# Altium PCB JTAG批量下载板-V1.6-ASCII.PcbDoc (part 3 of 14)
Units mil, origin at the board's own origin, x right, y up, seen from the top; angles counter-clockwise.
Board outline 7947.6 x 7007.76 mil, 2 copper layers (Top Layer, Bottom Layer); 207 components, 340 nets, 1329 pads, 792 vias.
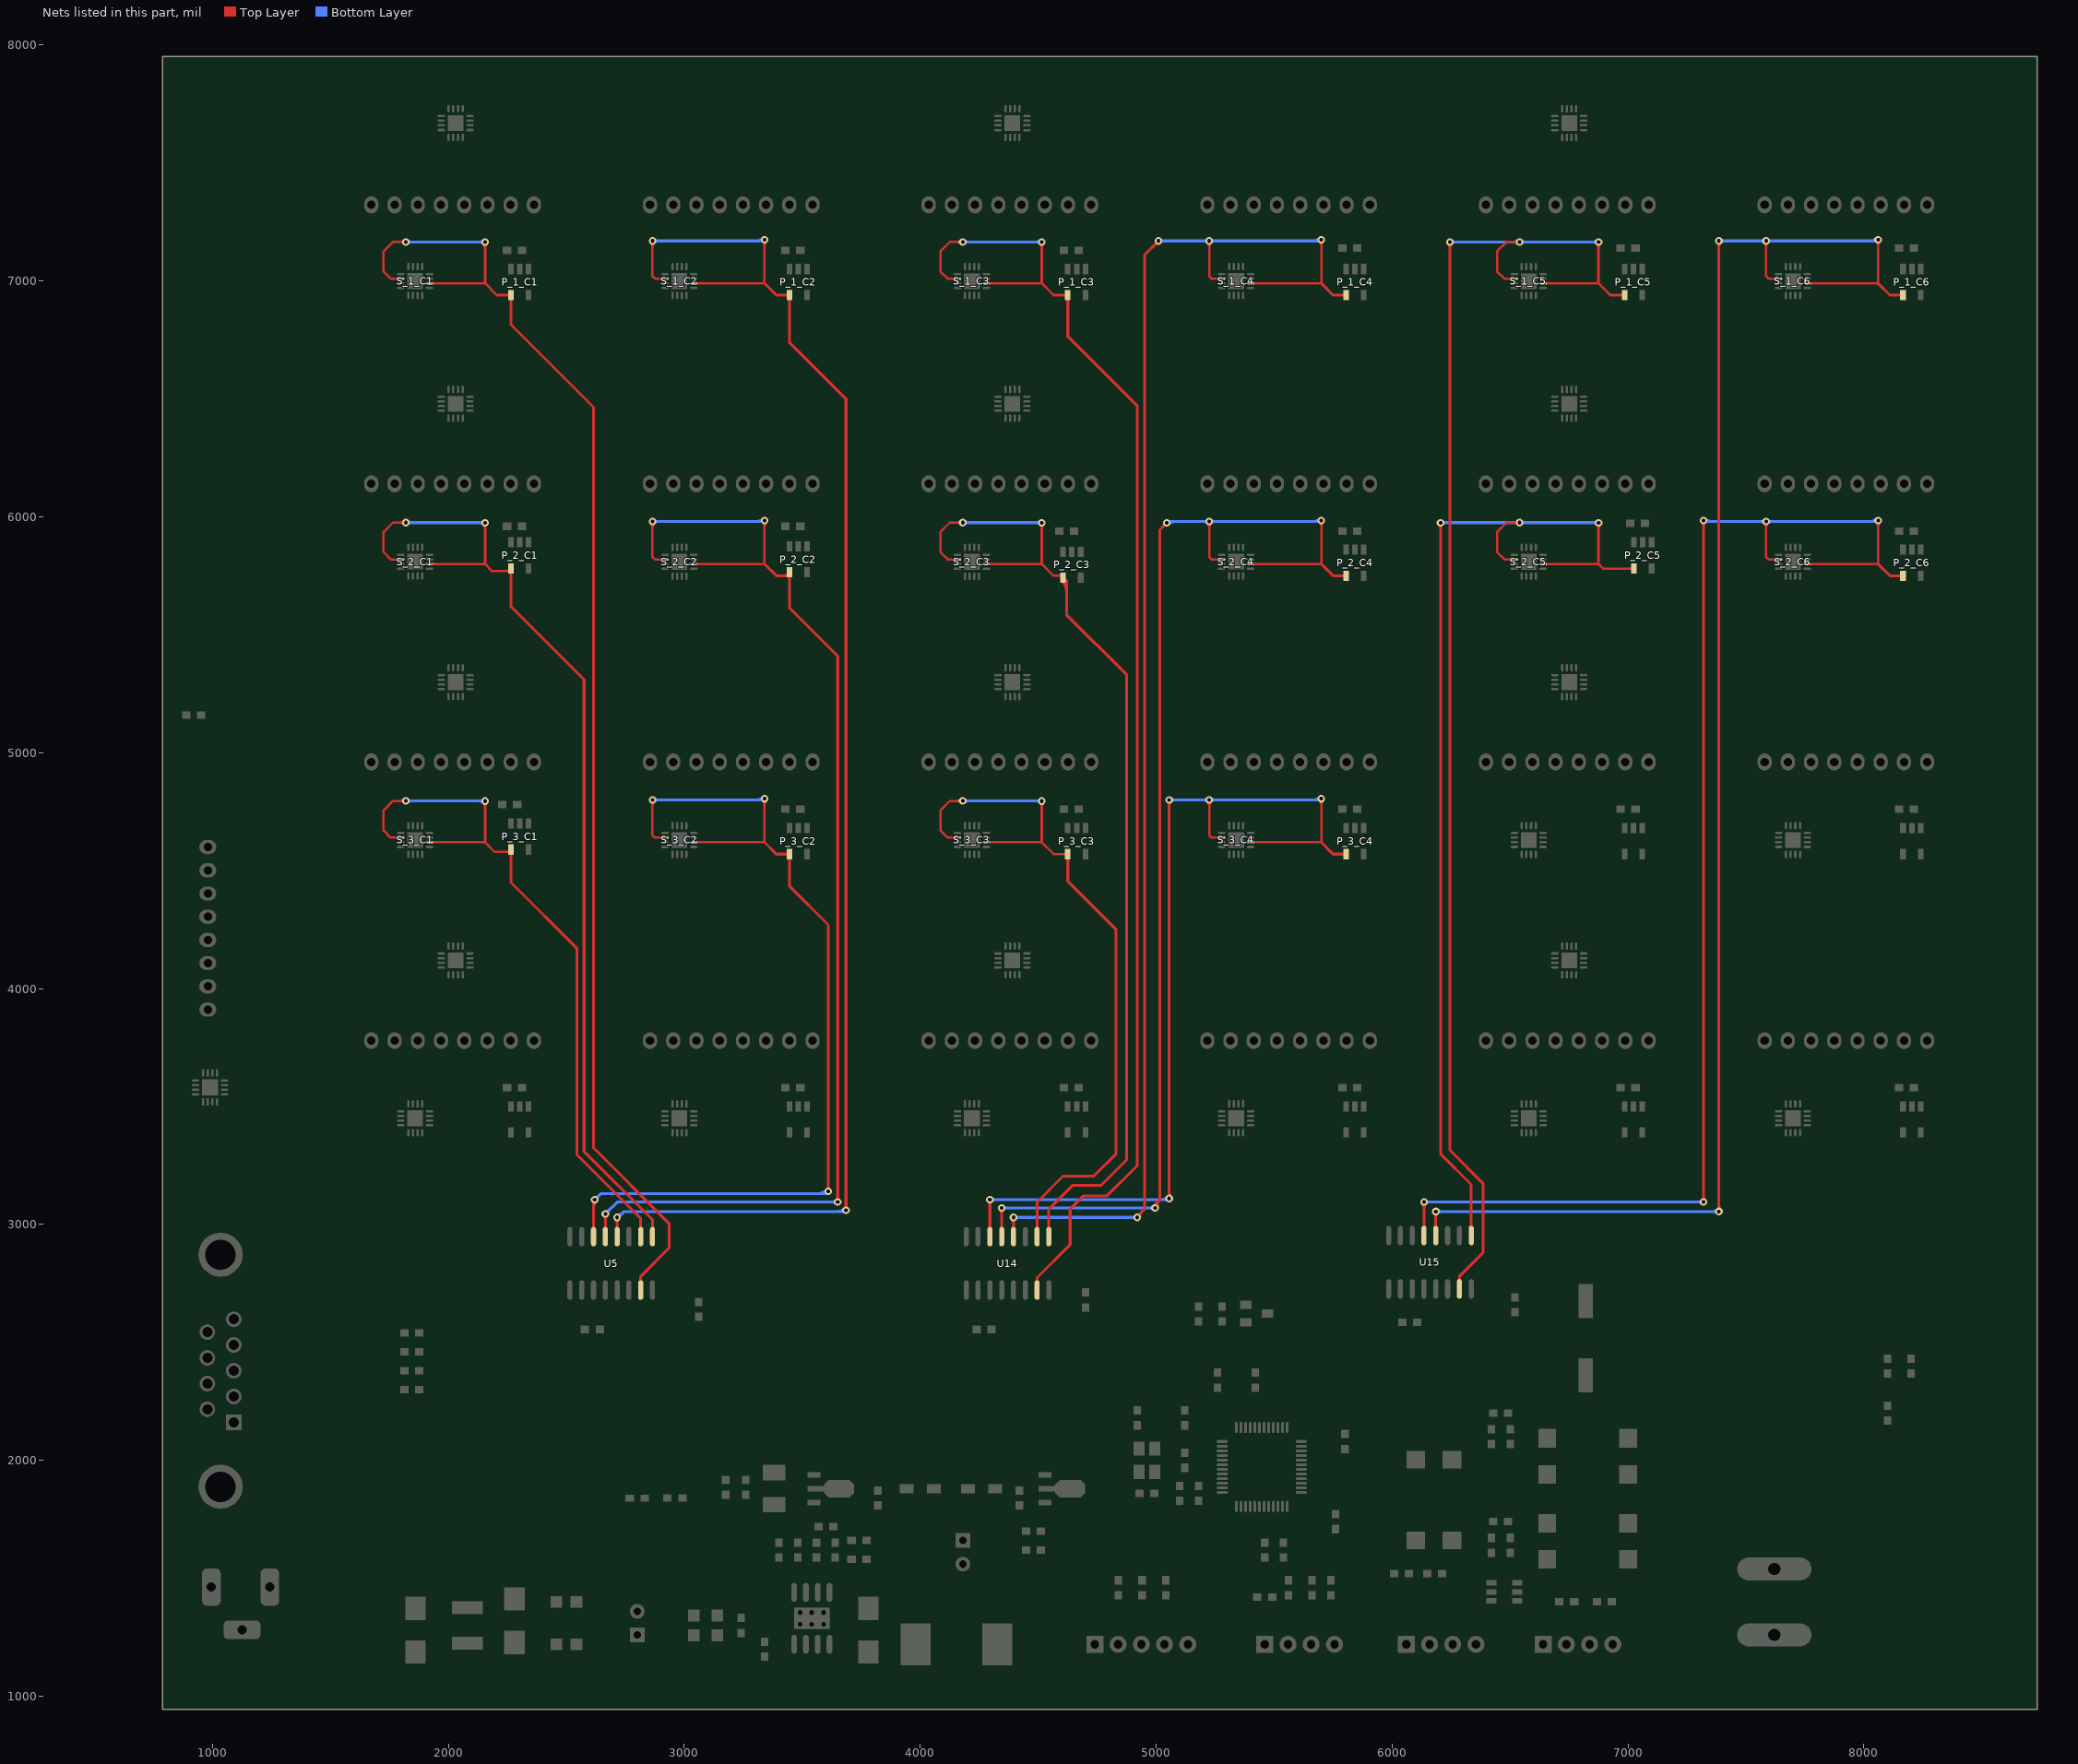
[diagram p3: the nets of this part, all layers, seen from the top]

## Via types
v1: diameter 32, hole 16, Top Layer to Bottom Layer, 721 vias
v2: diameter 50, hole 28, Top Layer to Bottom Layer, 45 vias
v3: diameter 40, hole 20, Top Layer to Bottom Layer, 26 vias

## Nets (pads, with @x,y where several pads share a name; then routed paths per layer and width w, separated by ;. In a path a pad name is that pad's centre, name@x,y a point inside that pad or via, vN(x,y) a via of type N, cw(c..) or ccw(c..) an arc to the next point about the centre after c; other vN are vias at no path point) (continued)
EN_1_C1: P_1_C1.4 S_1_C1.2 S_1_C1.10 U5.15 | length 6188.3
  Top Layer w10: S_1_C1.10@1797.95,7009.92 1755.63,7009.92 1725,7040.55 1725,7125.55 1765,7165.55 v1(1820,7165.55) ; S_1_C1.2@1920,6990.24 2154.76,6990.24 2204.69,6940.31 P_1_C1.4@2265.2,6940.31 ; 1793.44,7165.55 cw(c1793.44,7138.99) 1812.22,7157.77 ccw(c1793.44,7138.99) 1793.44,7165.55 ; 1793.44,7165.55 ccw(c1793.44,7192.11) 1812.22,7173.33 cw(c1793.44,7192.11) 1793.44,7165.55 ; 2248.75,6940.31 cw(c2248.75,6923.87) 2260.38,6935.5 ccw(c2248.75,6923.87) 2248.75,6940.31 ; 2248.75,6940.31 ccw(c2248.75,6956.76) 2260.38,6945.13 cw(c2248.75,6956.76) 2248.75,6940.31
  Top Layer w12: 2155,6990.47 v1(2155,7165) ; P_1_C1.4@2265.2,6940.31 2265.2,6814.8 2615,6465 2615,3325 2935,3005 2935,2900 2815,2780 U5.15@2815,2735 ; 2155,7140.86 cw(c2179.14,7140.86) 2162.07,7157.93 ccw(c2179.14,7140.86) 2155,7140.86 ; 2155,7140.86 ccw(c2130.86,7140.86) 2147.93,7157.93 cw(c2130.86,7140.86) 2155,7140.86 ; 2265.2,6916.44 cw(c2279.23,6916.44) 2269.31,6926.36 ccw(c2279.23,6916.44) 2265.2,6916.44 ; 2265.2,6916.44 ccw(c2251.17,6916.44) 2261.09,6926.36 cw(c2251.17,6916.44) 2265.2,6916.44 ; U5.15@2811.59,2755.74 ccw(c2803.35,2763.98) 2815,2763.98 ; U5.15@2811.59,2755.74 ccw(c2803.35,2763.98) 2815,2763.98 ; U5.15@2811.59,2755.74 ccw(c2803.35,2763.98) 2815,2763.98 ; U5.15@2811.59,2755.74 ccw(c2803.35,2763.98) 2815,2763.98 ; U5.15@2811.59,2755.74 ccw(c2803.35,2763.98) 2815,2763.98 ; 2815,2763.98 ccw(c2826.65,2763.98) U5.15@2818.41,2755.74 ; 2815,2763.98 ccw(c2826.65,2763.98) U5.15@2818.41,2755.74 ; 2815,2763.98 ccw(c2826.65,2763.98) U5.15@2818.41,2755.74 ; 2815,2763.98 ccw(c2826.65,2763.98) U5.15@2818.41,2755.74 ; 2815,2763.98 ccw(c2826.65,2763.98) U5.15@2818.41,2755.74
  Bottom Layer w12: v1(1820,7165.55) v1@2155,7165.55 ; 1844.14,7165.55 cw(c1844.14,7189.69) 1827.07,7172.62 ccw(c1844.14,7189.69) 1844.14,7165.55 ; 1844.14,7165.55 ccw(c1844.14,7141.41) 1827.07,7158.48 cw(c1844.14,7141.41) 1844.14,7165.55 ; 2129.53,7165.55 cw(c2129.53,7139.53) 2147.93,7157.93 ccw(c2129.53,7139.53) 2129.53,7165.55 ; 2132.19,7165.55 ccw(c2132.19,7187.81) 2147.93,7172.07 cw(c2132.19,7187.81) 2132.19,7165.55
EN_1_C2: P_1_C2.4 S_1_C2.2 S_1_C2.10 U5.4 | length 7274.6
  Top Layer w10: v1(2865,7170) 2865,7020 2875.08,7009.92 S_1_C2.10@2917.95,7009.92 ; S_1_C2.2@3040,6990.24 3340,6990.24 v1(3340,7175) ; v1@3332.22,7167.22 cw(c3313.44,7148.44) 3340,7148.44 cw(c3366.56,7148.44) v1@3347.78,7167.22 ; 2865,7143.44 cw(c2891.56,7143.44) 2872.78,7162.22 ccw(c2891.56,7143.44) 2865,7143.44 ; 2865,7143.44 ccw(c2838.44,7143.44) 2857.22,7162.22 cw(c2838.44,7143.44) 2865,7143.44
  Top Layer w12: U5.4@2715,2950 v1(2715,3030) ; 3340,6990.24 3340,6990 3389.69,6940.31 P_1_C2.4@3445.2,6940.31 3445.2,6739.8 3685,6500 v1(3685,3060) ; v1@3677.93,3067.07 ccw(c3660.86,3084.14) 3685,3084.14 ccw(c3709.14,3084.14) v1@3692.07,3067.07 ; v1@2707.93,3022.93 cw(c2690.86,3005.86) 2715,3005.86 ; v1@2707.93,3022.93 cw(c2690.86,3005.86) 2715,3005.86 ; v1@2707.93,3022.93 cw(c2690.86,3005.86) 2715,3005.86 ; v1@2707.93,3022.93 cw(c2690.86,3005.86) 2715,3005.86 ; v1@2707.93,3022.93 cw(c2690.86,3005.86) 2715,3005.86 ; U5.4@2711.59,2982.11 ccw(c2703.35,2990.35) 2715,2990.35 ; U5.4@2711.59,2982.11 ccw(c2703.35,2990.35) 2715,2990.35 ; U5.4@2711.59,2982.11 ccw(c2703.35,2990.35) 2715,2990.35 ; U5.4@2711.59,2982.11 ccw(c2703.35,2990.35) 2715,2990.35 ; U5.4@2711.59,2982.11 ccw(c2703.35,2990.35) 2715,2990.35 ; 2715,2990.35 ccw(c2726.65,2990.35) U5.4@2718.41,2982.11 ; 2715,2990.35 ccw(c2726.65,2990.35) U5.4@2718.41,2982.11 ; 2715,2990.35 ccw(c2726.65,2990.35) U5.4@2718.41,2982.11 ; 2715,2990.35 ccw(c2726.65,2990.35) U5.4@2718.41,2982.11 ; 2715,2990.35 ccw(c2726.65,2990.35) U5.4@2718.41,2982.11 ; 2715,3005.86 cw(c2739.14,3005.86) v1@2722.07,3022.93 ; 2715,3005.86 cw(c2739.14,3005.86) v1@2722.07,3022.93 ; 2715,3005.86 cw(c2739.14,3005.86) v1@2722.07,3022.93 ; 2715,3005.86 cw(c2739.14,3005.86) v1@2722.07,3022.93 ; 2715,3005.86 cw(c2739.14,3005.86) v1@2722.07,3022.93 ; 3431.17,6940.31 cw(c3431.17,6926.29) 3441.09,6936.21 ccw(c3431.17,6926.29) 3431.17,6940.31 ; 3431.17,6940.31 ccw(c3431.17,6954.34) 3441.09,6944.42 cw(c3431.17,6954.34) 3431.17,6940.31 ; 3445.2,6916.44 cw(c3459.23,6916.44) 3449.31,6926.36 ccw(c3459.23,6916.44) 3445.2,6916.44 ; 3445.2,6916.44 ccw(c3431.17,6916.44) 3441.09,6926.36 cw(c3431.17,6916.44) 3445.2,6916.44
  Bottom Layer w12: v1(2715,3030) 2720,3030 2745,3055 v1@3680,3055 ; v1(2865,7170) 3335,7170 v1(3340,7175) ; 3303.79,7170 ccw(c3303.79,7211.21) v1@3332.93,7182.07 ; v1@2715,3040 ccw(c2715,3076.21) 2740.61,3050.61 ; v1@2715,3040 ccw(c2715,3076.21) 2740.61,3050.61 ; v1@2715,3040 ccw(c2715,3076.21) 2740.61,3050.61 ; v1@2715,3040 ccw(c2715,3076.21) 2740.61,3050.61 ; v1@2715,3040 ccw(c2715,3076.21) 2740.61,3050.61 ; 2889.14,7170 cw(c2889.14,7194.14) 2872.07,7177.07 ccw(c2889.14,7194.14) 2889.14,7170 ; 2889.14,7170 ccw(c2889.14,7145.86) 2872.07,7162.93 cw(c2889.14,7145.86) 2889.14,7170 ; 3648.79,3055 ccw(c3648.79,3096.21) v1@3677.93,3067.07 ; 3648.79,3055 ccw(c3648.79,3096.21) v1@3677.93,3067.07 ; 3648.79,3055 ccw(c3648.79,3096.21) v1@3677.93,3067.07 ; 3648.79,3055 ccw(c3648.79,3096.21) v1@3677.93,3067.07 ; 3648.79,3055 ccw(c3648.79,3096.21) v1@3677.93,3067.07
EN_1_C3: P_1_C3.4 S_1_C3.2 S_1_C3.10 U14.15 | length 6247.9
  Top Layer w10: S_1_C3.10@4157.95,7009.92 4115.63,7009.92 4085,7040.55 4085,7125.55 4125,7165.55 v1(4180,7165.55) ; S_1_C3.2@4280,6990.24 4514.76,6990.24 4564.69,6940.31 P_1_C3.4@4625.2,6940.31 ; 4153.44,7165.55 cw(c4153.44,7138.99) 4172.22,7157.77 ccw(c4153.44,7138.99) 4153.44,7165.55 ; 4153.44,7165.55 ccw(c4153.44,7192.11) 4172.22,7173.33 cw(c4153.44,7192.11) 4153.44,7165.55 ; 4608.75,6940.31 cw(c4608.75,6923.87) 4620.38,6935.5 ccw(c4608.75,6923.87) 4608.75,6940.31 ; 4608.75,6940.31 ccw(c4608.75,6956.76) 4620.38,6945.13 cw(c4608.75,6956.76) 4608.75,6940.31
  Top Layer w12: U14.15@4495,2705 4495,2775 4635,2915 4635,3065 4690,3120 4790,3120 4920,3250 4920,6470 4625.2,6764.8 P_1_C3.4@4625.2,6940.31 ; 4515,6990.47 v1(4515,7165) ; U14.15@4491.59,2755.74 ccw(c4483.35,2763.98) 4495,2763.98 ; U14.15@4491.59,2755.74 ccw(c4483.35,2763.98) 4495,2763.98 ; U14.15@4491.59,2755.74 ccw(c4483.35,2763.98) 4495,2763.98 ; U14.15@4491.59,2755.74 ccw(c4483.35,2763.98) 4495,2763.98 ; U14.15@4491.59,2755.74 ccw(c4483.35,2763.98) 4495,2763.98 ; 4495,2763.98 ccw(c4506.65,2763.98) U14.15@4498.41,2755.74 ; 4495,2763.98 ccw(c4506.65,2763.98) U14.15@4498.41,2755.74 ; 4495,2763.98 ccw(c4506.65,2763.98) U14.15@4498.41,2755.74 ; 4495,2763.98 ccw(c4506.65,2763.98) U14.15@4498.41,2755.74 ; 4495,2763.98 ccw(c4506.65,2763.98) U14.15@4498.41,2755.74 ; 4515,7140.86 cw(c4539.14,7140.86) 4522.07,7157.93 ccw(c4539.14,7140.86) 4515,7140.86 ; 4515,7140.86 ccw(c4490.86,7140.86) 4507.93,7157.93 cw(c4490.86,7140.86) 4515,7140.86 ; 4625.2,6916.44 cw(c4639.23,6916.44) 4629.31,6926.36 ccw(c4639.23,6916.44) 4625.2,6916.44 ; 4625.2,6916.44 ccw(c4611.17,6916.44) 4621.09,6926.36 cw(c4611.17,6916.44) 4625.2,6916.44
  Bottom Layer w12: v1(4180,7165.55) v1@4515,7165.55 ; 4204.14,7165.55 cw(c4204.14,7189.69) 4187.07,7172.62 ccw(c4204.14,7189.69) 4204.14,7165.55 ; 4204.14,7165.55 ccw(c4204.14,7141.41) 4187.07,7158.48 cw(c4204.14,7141.41) 4204.14,7165.55 ; 4489.53,7165.55 cw(c4489.53,7139.53) 4507.93,7157.93 ccw(c4489.53,7139.53) 4489.53,7165.55 ; 4492.19,7165.55 ccw(c4492.19,7187.81) 4507.93,7172.07 cw(c4492.19,7187.81) 4492.19,7165.55
EN_1_C4: P_1_C4.4 S_1_C4.2 S_1_C4.10 U14.4 | length 7374.1
  Top Layer w10: v1(5225,7170) 5225,7020 5235.08,7009.92 S_1_C4.10@5277.95,7009.87 ; S_1_C4.2@5400,6990.19 5700,6990.24 v1(5700,7175) ; v1@5692.22,7167.22 cw(c5673.44,7148.44) 5700,7148.44 cw(c5726.56,7148.44) v1@5707.78,7167.22 ; 5225,7143.44 cw(c5251.56,7143.44) 5232.78,7162.22 ccw(c5251.56,7143.44) 5225,7143.44 ; 5225,7143.44 ccw(c5198.44,7143.44) 5217.22,7162.22 cw(c5198.44,7143.44) 5225,7143.44
  Top Layer w12: U14.4@4395,2948.19 v1(4395,3030) ; v1(4920,3030) 4920,3035 4950,3065 4950,7110 v1(5010,7170) ; v1@4930,3030 cw(c4966.21,3030) 4940.61,3055.61 ; 5700,6990.24 5700,6990 5749.69,6940.31 P_1_C4.4@5805.2,6940.31 ; v1@4387.93,3022.93 cw(c4370.86,3005.86) 4395,3005.86 ; v1@4387.93,3022.93 cw(c4370.86,3005.86) 4395,3005.86 ; v1@4387.93,3022.93 cw(c4370.86,3005.86) 4395,3005.86 ; v1@4387.93,3022.93 cw(c4370.86,3005.86) 4395,3005.86 ; v1@4387.93,3022.93 cw(c4370.86,3005.86) 4395,3005.86 ; U14.4@4391.59,2982.11 ccw(c4383.35,2990.35) 4395,2990.35 ; U14.4@4391.59,2982.11 ccw(c4383.35,2990.35) 4395,2990.35 ; U14.4@4391.59,2982.11 ccw(c4383.35,2990.35) 4395,2990.35 ; U14.4@4391.59,2982.11 ccw(c4383.35,2990.35) 4395,2990.35 ; U14.4@4391.59,2982.11 ccw(c4383.35,2990.35) 4395,2990.35 ; 4395,2990.35 ccw(c4406.65,2990.35) U14.4@4398.41,2982.11 ; 4395,2990.35 ccw(c4406.65,2990.35) U14.4@4398.41,2982.11 ; 4395,2990.35 ccw(c4406.65,2990.35) U14.4@4398.41,2982.11 ; 4395,2990.35 ccw(c4406.65,2990.35) U14.4@4398.41,2982.11 ; 4395,2990.35 ccw(c4406.65,2990.35) U14.4@4398.41,2982.11 ; 4395,3005.86 cw(c4419.14,3005.86) v1@4402.07,3022.93 ; 4395,3005.86 cw(c4419.14,3005.86) v1@4402.07,3022.93 ; 4395,3005.86 cw(c4419.14,3005.86) v1@4402.07,3022.93 ; 4395,3005.86 cw(c4419.14,3005.86) v1@4402.07,3022.93 ; 4395,3005.86 cw(c4419.14,3005.86) v1@4402.07,3022.93 ; 4992.93,7152.93 cw(c5010,7135.86) 5010,7160 ccw(c5010,7135.86) 4992.93,7152.93 ; 4992.93,7152.93 ccw(c4975.86,7170) 5000,7170 cw(c4975.86,7170) 4992.93,7152.93 ; 5791.17,6940.31 cw(c5791.17,6926.29) 5801.09,6936.21 ccw(c5791.17,6926.29) 5791.17,6940.31 ; 5791.17,6940.31 ccw(c5791.17,6954.34) 5801.09,6944.42 cw(c5791.17,6954.34) 5791.17,6940.31
  Bottom Layer w12: v1(4395,3030) v1(4920,3030) ; v1(5010,7170) 5695,7170 v1(5700,7175) ; 5663.79,7170 ccw(c5663.79,7211.21) v1@5692.93,7182.07 ; v1@4402.07,3022.93 cw(c4419.14,3005.86) 4419.14,3030 ; v1@4402.07,3022.93 cw(c4419.14,3005.86) 4419.14,3030 ; v1@4402.07,3022.93 cw(c4419.14,3005.86) 4419.14,3030 ; v1@4402.07,3022.93 cw(c4419.14,3005.86) 4419.14,3030 ; v1@4402.07,3022.93 cw(c4419.14,3005.86) 4419.14,3030 ; v1@4402.07,3037.07 ccw(c4419.14,3054.14) 4419.14,3030 ; v1@4402.07,3037.07 ccw(c4419.14,3054.14) 4419.14,3030 ; v1@4402.07,3037.07 ccw(c4419.14,3054.14) 4419.14,3030 ; v1@4402.07,3037.07 ccw(c4419.14,3054.14) 4419.14,3030 ; v1@4402.07,3037.07 ccw(c4419.14,3054.14) 4419.14,3030 ; 4895.86,3030 cw(c4895.86,3005.86) 4912.93,3022.93 ccw(c4895.86,3005.86) 4895.86,3030 ; 4895.86,3030 ccw(c4895.86,3054.14) 4912.93,3037.07 cw(c4895.86,3054.14) 4895.86,3030 ; 5034.14,7170 cw(c5034.14,7194.14) 5017.07,7177.07 ccw(c5034.14,7194.14) 5034.14,7170 ; 5034.14,7170 ccw(c5034.14,7145.86) 5017.07,7162.93 cw(c5034.14,7145.86) 5034.14,7170 ; 5200.86,7170 cw(c5200.86,7145.86) 5217.93,7162.93 ccw(c5200.86,7145.86) 5200.86,7170 ; 5200.86,7170 ccw(c5200.86,7194.14) 5217.93,7177.07 cw(c5200.86,7194.14) 5200.86,7170 ; 5249.14,7170 cw(c5249.14,7194.14) 5232.07,7177.07 ccw(c5249.14,7194.14) 5249.14,7170 ; 5249.14,7170 ccw(c5249.14,7145.86) 5232.07,7162.93 cw(c5249.14,7145.86) 5249.14,7170
EN_1_C5: P_1_C5.4 S_1_C5.2 S_1_C5.10 U15.15 | length 6703.1
  Top Layer w10: S_1_C5.10@6517.95,7009.92 6475.63,7009.92 6445,7040.55 6445,7125.55 6485,7165.55 v1(6540,7165.55) ; S_1_C5.2@6640,6990.24 6874.76,6990.24 6924.69,6940.31 P_1_C5.4@6985.2,6940.31 ; 6513.44,7165.55 cw(c6513.44,7138.99) 6532.22,7157.77 ccw(c6513.44,7138.99) 6513.44,7165.55 ; 6513.44,7165.55 ccw(c6513.44,7192.11) 6532.22,7173.33 cw(c6513.44,7192.11) 6513.44,7165.55 ; 6968.75,6940.31 cw(c6968.75,6923.87) 6980.38,6935.5 ccw(c6968.75,6923.87) 6968.75,6940.31 ; 6968.75,6940.31 ccw(c6968.75,6956.76) 6980.38,6945.13 cw(c6968.75,6956.76) 6968.75,6940.31
  Top Layer w12: v1@6245,7175 6245,3315 6385,3175 6385,2880 6285,2780 U15.15@6285,2705 ; 6875,6990.47 v1(6875,7165) ; 6245,7140.86 cw(c6269.14,7140.86) 6252.07,7157.93 ccw(c6269.14,7140.86) 6245,7140.86 ; 6245,7140.86 ccw(c6220.86,7140.86) 6237.93,7157.93 cw(c6220.86,7140.86) 6245,7140.86 ; U15.15@6281.59,2760.74 ccw(c6273.35,2768.98) 6285,2768.98 ; U15.15@6281.59,2760.74 ccw(c6273.35,2768.98) 6285,2768.98 ; U15.15@6281.59,2760.74 ccw(c6273.35,2768.98) 6285,2768.98 ; U15.15@6281.59,2760.74 ccw(c6273.35,2768.98) 6285,2768.98 ; U15.15@6281.59,2760.74 ccw(c6273.35,2768.98) 6285,2768.98 ; 6285,2768.98 ccw(c6296.65,2768.98) U15.15@6288.41,2760.74 ; 6285,2768.98 ccw(c6296.65,2768.98) U15.15@6288.41,2760.74 ; 6285,2768.98 ccw(c6296.65,2768.98) U15.15@6288.41,2760.74 ; 6285,2768.98 ccw(c6296.65,2768.98) U15.15@6288.41,2760.74 ; 6285,2768.98 ccw(c6296.65,2768.98) U15.15@6288.41,2760.74 ; 6875,7140.86 cw(c6899.14,7140.86) 6882.07,7157.93 ccw(c6899.14,7140.86) 6875,7140.86 ; 6875,7140.86 ccw(c6850.86,7140.86) 6867.93,7157.93 cw(c6850.86,7140.86) 6875,7140.86
  Bottom Layer w12: v1@6245.55,7165.55 v1@6875,7165.55 ; 6515.86,7165.55 cw(c6515.86,7141.41) 6532.93,7158.48 ccw(c6515.86,7141.41) 6515.86,7165.55 ; 6515.86,7165.55 ccw(c6515.86,7189.69) 6532.93,7172.62 cw(c6515.86,7189.69) 6515.86,7165.55 ; 6564.14,7165.55 cw(c6564.14,7189.69) 6547.07,7172.62 ccw(c6564.14,7189.69) 6564.14,7165.55 ; 6564.14,7165.55 ccw(c6564.14,7141.41) 6547.07,7158.48 cw(c6564.14,7141.41) 6564.14,7165.55 ; v1@6252.07,7157.93 cw(c6270.47,7139.53) 6270.47,7165.55 ccw(c6270.47,7139.53) v1@6252.07,7157.93 ; v1@6252.07,7172.07 ccw(c6267.81,7187.81) 6267.81,7165.55 cw(c6267.81,7187.81) v1@6252.07,7172.07 ; 6849.53,7165.55 cw(c6849.53,7139.53) 6867.93,7157.93 ccw(c6849.53,7139.53) 6849.53,7165.55 ; 6852.19,7165.55 ccw(c6852.19,7187.81) 6867.93,7172.07 cw(c6852.19,7187.81) 6852.19,7165.55
  other v1: 6245,7165
EN_1_C6: P_1_C6.4 S_1_C6.2 S_1_C6.10 U15.4 | length 8024.2
  Top Layer w10: v1(7585,7170) 7585,7020 7595.08,7009.92 S_1_C6.10@7637.95,7009.92 ; S_1_C6.2@7760,6990.24 8060,6990.24 v1(8060,7175) ; v1@8052.22,7167.22 cw(c8033.44,7148.44) 8060,7148.44 cw(c8086.56,7148.44) v1@8067.78,7167.22 ; 7585,7143.44 cw(c7611.56,7143.44) 7592.78,7162.22 ccw(c7611.56,7143.44) 7585,7143.44 ; 7585,7143.44 ccw(c7558.44,7143.44) 7577.22,7162.22 cw(c7558.44,7143.44) 7585,7143.44
  Top Layer w12: U15.4@6185,2953.19 v1(6185,3055) ; v1(7385,3055) v1(7385,7170) ; 8060,6990.24 8060,6990 8109.69,6940.31 P_1_C6.4@8165.2,6940.31 ; v1@6177.93,3047.93 cw(c6160.86,3030.86) 6185,3030.86 ; v1@6177.93,3047.93 cw(c6160.86,3030.86) 6185,3030.86 ; v1@6177.93,3047.93 cw(c6160.86,3030.86) 6185,3030.86 ; v1@6177.93,3047.93 cw(c6160.86,3030.86) 6185,3030.86 ; v1@6177.93,3047.93 cw(c6160.86,3030.86) 6185,3030.86 ; U15.4@6181.59,2987.11 ccw(c6173.35,2995.35) 6185,2995.35 ; U15.4@6181.59,2987.11 ccw(c6173.35,2995.35) 6185,2995.35 ; U15.4@6181.59,2987.11 ccw(c6173.35,2995.35) 6185,2995.35 ; U15.4@6181.59,2987.11 ccw(c6173.35,2995.35) 6185,2995.35 ; U15.4@6181.59,2987.11 ccw(c6173.35,2995.35) 6185,2995.35 ; 6185,2995.35 ccw(c6196.65,2995.35) U15.4@6188.41,2987.11 ; 6185,2995.35 ccw(c6196.65,2995.35) U15.4@6188.41,2987.11 ; 6185,2995.35 ccw(c6196.65,2995.35) U15.4@6188.41,2987.11 ; 6185,2995.35 ccw(c6196.65,2995.35) U15.4@6188.41,2987.11 ; 6185,2995.35 ccw(c6196.65,2995.35) U15.4@6188.41,2987.11 ; 6185,3030.86 cw(c6209.14,3030.86) v1@6192.07,3047.93 ; 6185,3030.86 cw(c6209.14,3030.86) v1@6192.07,3047.93 ; 6185,3030.86 cw(c6209.14,3030.86) v1@6192.07,3047.93 ; 6185,3030.86 cw(c6209.14,3030.86) v1@6192.07,3047.93 ; 6185,3030.86 cw(c6209.14,3030.86) v1@6192.07,3047.93 ; 7385,3079.14 cw(c7360.86,3079.14) 7377.93,3062.07 ccw(c7360.86,3079.14) 7385,3079.14 ; 7385,3079.14 ccw(c7409.14,3079.14) 7392.07,3062.07 cw(c7409.14,3079.14) 7385,3079.14 ; 7385,7145.86 cw(c7409.14,7145.86) 7392.07,7162.93 ccw(c7409.14,7145.86) 7385,7145.86 ; 7385,7145.86 ccw(c7360.86,7145.86) 7377.93,7162.93 cw(c7360.86,7145.86) 7385,7145.86 ; 8151.17,6940.31 cw(c8151.17,6926.29) 8161.09,6936.21 ccw(c8151.17,6926.29) 8151.17,6940.31 ; 8151.17,6940.31 ccw(c8151.17,6954.34) 8161.09,6944.42 cw(c8151.17,6954.34) 8151.17,6940.31
  Bottom Layer w12: v1@6200,3055 v1(7385,3055) ; v1(7385,7170) 8055,7170 v1(8060,7175) ; 8023.79,7170 ccw(c8023.79,7211.21) v1@8052.93,7182.07 ; v1@6192.07,3047.93 cw(c6209.14,3030.86) 6209.14,3055 ; v1@6192.07,3047.93 cw(c6209.14,3030.86) 6209.14,3055 ; v1@6192.07,3047.93 cw(c6209.14,3030.86) 6209.14,3055 ; v1@6192.07,3047.93 cw(c6209.14,3030.86) 6209.14,3055 ; v1@6192.07,3047.93 cw(c6209.14,3030.86) 6209.14,3055 ; v1@6192.07,3062.07 ccw(c6209.14,3079.14) 6209.14,3055 ; v1@6192.07,3062.07 ccw(c6209.14,3079.14) 6209.14,3055 ; v1@6192.07,3062.07 ccw(c6209.14,3079.14) 6209.14,3055 ; v1@6192.07,3062.07 ccw(c6209.14,3079.14) 6209.14,3055 ; v1@6192.07,3062.07 ccw(c6209.14,3079.14) 6209.14,3055 ; 7360.86,3055 cw(c7360.86,3030.86) 7377.93,3047.93 ccw(c7360.86,3030.86) 7360.86,3055 ; 7360.86,3055 ccw(c7360.86,3079.14) 7377.93,3062.07 cw(c7360.86,3079.14) 7360.86,3055 ; 7409.14,7170 cw(c7409.14,7194.14) 7392.07,7177.07 ccw(c7409.14,7194.14) 7409.14,7170 ; 7409.14,7170 ccw(c7409.14,7145.86) 7392.07,7162.93 cw(c7409.14,7145.86) 7409.14,7170 ; 7560.86,7170 cw(c7560.86,7145.86) 7577.93,7162.93 ccw(c7560.86,7145.86) 7560.86,7170 ; 7560.86,7170 ccw(c7560.86,7194.14) 7577.93,7177.07 cw(c7560.86,7194.14) 7560.86,7170 ; 7609.14,7170 cw(c7609.14,7194.14) 7592.07,7177.07 ccw(c7609.14,7194.14) 7609.14,7170 ; 7609.14,7170 ccw(c7609.14,7145.86) 7592.07,7162.93 cw(c7609.14,7145.86) 7609.14,7170
EN_2_C1: P_2_C1.4 S_2_C1.2 S_2_C1.10 U5.1 | length 4729.7
  Top Layer w10: S_2_C1.10@1797.95,5819.87 1755.63,5819.92 1725,5850.55 1725,5935.55 1765,5975.55 v1(1820,5975.55) ; S_2_C1.2@1920,5800.19 2154.76,5800.24 2185,5770 P_2_C1.4@2265.2,5770 ; 1793.44,5975.55 cw(c1793.44,5948.99) 1812.22,5967.77 ccw(c1793.44,5948.99) 1793.44,5975.55 ; 1793.44,5975.55 ccw(c1793.44,6002.11) 1812.22,5983.33 cw(c1793.44,6002.11) 1793.44,5975.55 ; 2244.19,5770 ccw(c2244.19,5792.9) 2260.38,5776.71 cw(c2244.19,5792.9) 2244.19,5770 ; 2253.32,5770 cw(c2253.32,5760.01) 2260.38,5767.07 ccw(c2253.32,5760.01) 2253.32,5770
  Top Layer w12: 2155,5800.47 v1(2155,5975) ; P_2_C1.4@2265.2,5781.73 2265.2,5619.8 2575,5310 2575,3310 2865,3020 U5.1@2865,2948.19 ; 2155,5950.86 cw(c2179.14,5950.86) 2162.07,5967.93 ccw(c2179.14,5950.86) 2155,5950.86 ; 2155,5950.86 ccw(c2130.86,5950.86) 2147.93,5967.93 cw(c2130.86,5950.86) 2155,5950.86 ; 2265.2,5757.86 cw(c2279.23,5757.86) 2269.31,5767.78 ccw(c2279.23,5757.86) 2265.2,5757.86 ; 2265.2,5757.86 ccw(c2251.17,5757.86) 2261.09,5767.78 cw(c2251.17,5757.86) 2265.2,5757.86 ; U5.1@2861.59,2982.11 ccw(c2853.35,2990.35) 2865,2990.35 ; U5.1@2861.59,2982.11 ccw(c2853.35,2990.35) 2865,2990.35 ; U5.1@2861.59,2982.11 ccw(c2853.35,2990.35) 2865,2990.35 ; U5.1@2861.59,2982.11 ccw(c2853.35,2990.35) 2865,2990.35 ; U5.1@2861.59,2982.11 ccw(c2853.35,2990.35) 2865,2990.35 ; 2865,2990.35 ccw(c2876.65,2990.35) U5.1@2868.41,2982.11 ; 2865,2990.35 ccw(c2876.65,2990.35) U5.1@2868.41,2982.11 ; 2865,2990.35 ccw(c2876.65,2990.35) U5.1@2868.41,2982.11 ; 2865,2990.35 ccw(c2876.65,2990.35) U5.1@2868.41,2982.11 ; 2865,2990.35 ccw(c2876.65,2990.35) U5.1@2868.41,2982.11
  Bottom Layer w12: v1(1820,5975.55) v1@2155,5975.55 ; 1844.14,5975.55 cw(c1844.14,5999.69) 1827.07,5982.62 ccw(c1844.14,5999.69) 1844.14,5975.55 ; 1844.14,5975.55 ccw(c1844.14,5951.41) 1827.07,5968.48 cw(c1844.14,5951.41) 1844.14,5975.55 ; 2129.53,5975.55 cw(c2129.53,5949.53) 2147.93,5967.93 ccw(c2129.53,5949.53) 2129.53,5975.55 ; 2132.19,5975.55 ccw(c2132.19,5997.81) 2147.93,5982.07 cw(c2132.19,5997.81) 2132.19,5975.55